# Altium PCB TEBF0808.PcbDoc (part 1 of 11) (continued)
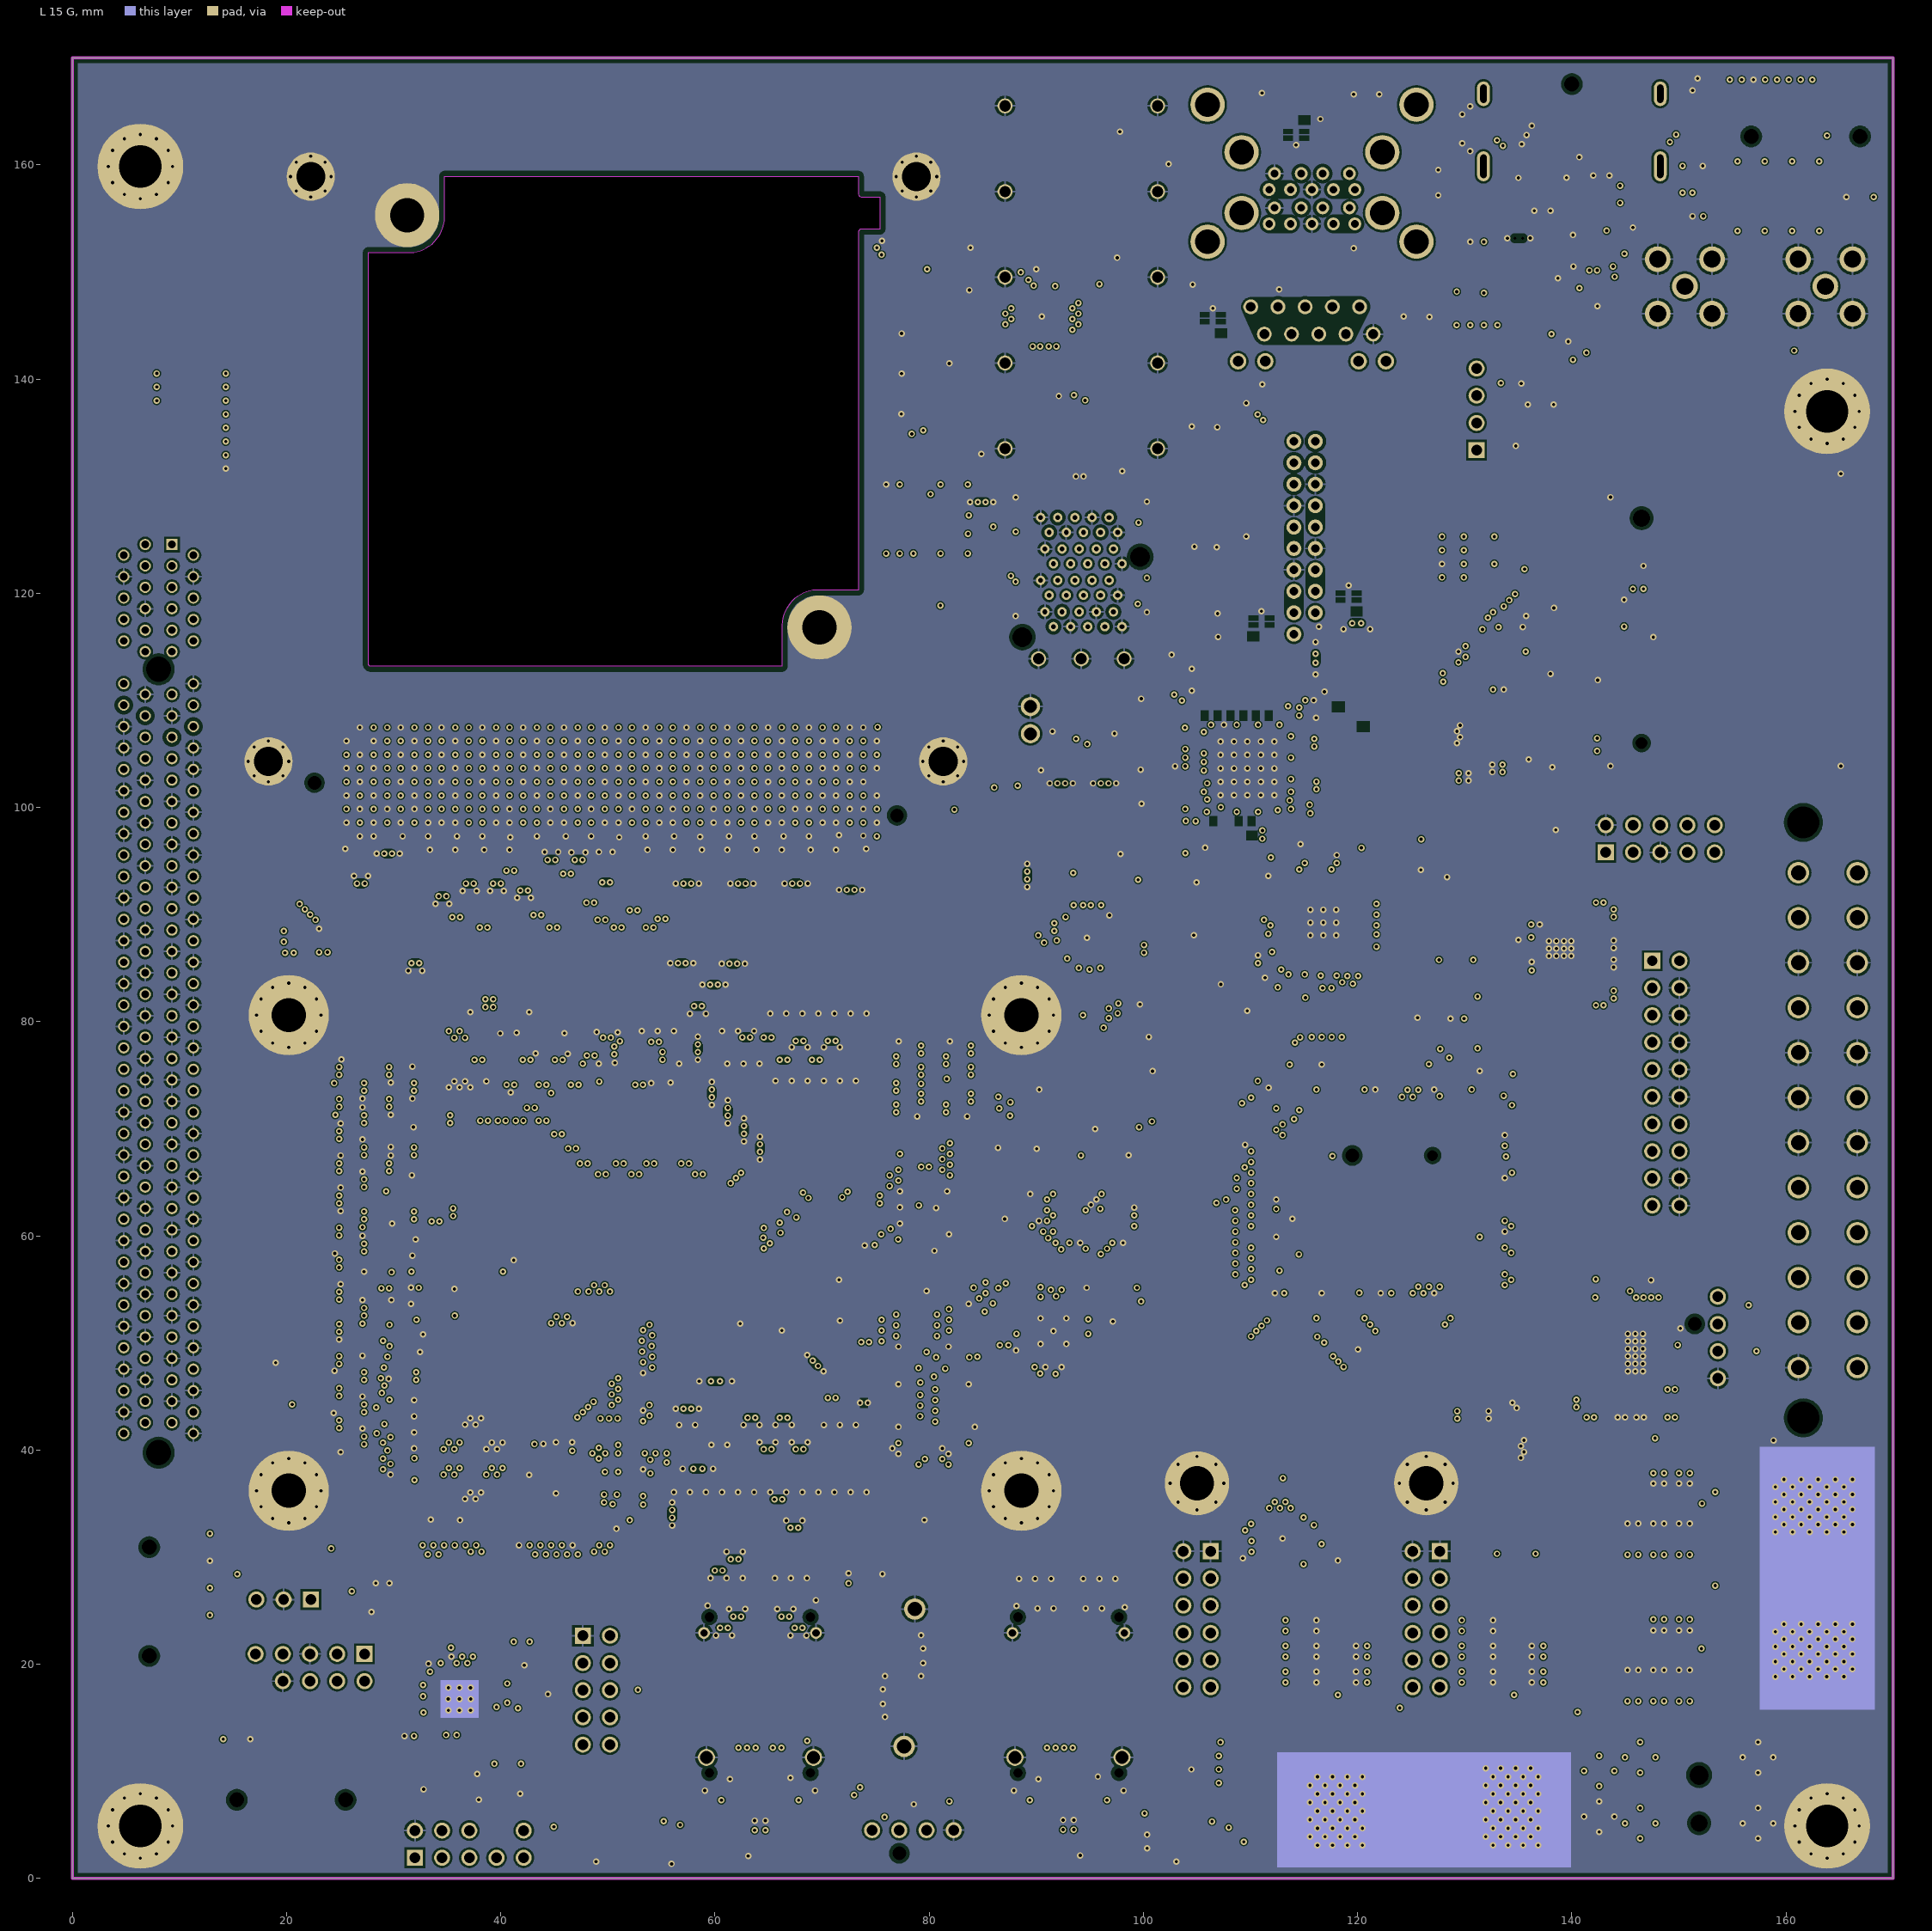
[diagram p15: L 15 G]

## Layer stack, top to bottom
Top Solder: solder mask 0.035, Solder Resist, Dk 3.5
L 01: signal copper 0.018
Dielectric1: core 0.11, 2116, Dk 4.2
L 02 G: signal copper 0.018
Dielectric 3: prepreg 0.1, Dk 4.2
L 03 S: signal copper 0.018
Dielectric 4: core 0.11, 2116, Dk 4.2
L 04 G: signal copper 0.018
Dielectric 5: prepreg 0.1, Dk 4.2
L 05 S: signal copper 0.018
Dielectric 6: core 0.11, 2116, Dk 4.2
L 06 G: signal copper 0.018
Dielectric 12: prepreg 0.1, Dk 4.2
L 07 P: signal copper 0.018
Dielectric 13: core 0.063, 1080, Dk 4.2
L 08 P: signal copper 0.018
Dielectric 14: prepreg 0.1, Dk 4.2
L 09 P: signal copper 0.018
Dielectric 15: core 0.063, 1080, Dk 4.2
L 10 P: signal copper 0.018
Dielectric 7: prepreg 0.1, Dk 4.2
L 11 G: signal copper 0.018
Dielectric 8: core 0.11, 2116, Dk 4.2
L 12 S: signal copper 0.018
Dielectric 9: prepreg 0.1, Dk 4.2
L 13 G: signal copper 0.018
Dielectric 10: core 0.11, 2116, Dk 4.2
L 14 S: signal copper 0.018
Dielectric 11: prepreg 0.1, Dk 4.2
L 15 G: signal copper 0.018
Dielectric 2: core 0.11, 2116, Dk 4.2
L 16: signal copper 0.018
Bottom Solder: solder mask 0.035, Solder Resist, Dk 3.5

## Board outline
0,0 170,0 170,170 0,170
cut-out: 34.76,158.925 73.385,158.925 73.385,157.315 ccw(c73.7,157.315) 73.7,157 75.4,157 75.4,154 73.7,154 ccw(c73.7,153.685) 73.385,153.685 73.385,120.3 69.76,120.3 ccw(c69.635,116.926) 66.26,117.05 66.26,113.175 27.885,113.175 cw(c27.885,113.425) 27.635,113.425 27.635,151.8 31.26,151.8 ccw(c31.385,155.175) 34.76,155.05

## Design rules (kind name [scope] priority, off if disabled: settings)
BoardOutlineClearance [All] p1: gap=0.5
Clearance Clearance_NP [ispad and (Not PadIsPlated) and IsThruPin] p1: gap=0.1 except(0.2: SMDPad-THPad THPad-Fill THPad-Region; 0.3: Arc-THPad Track-THPad THPad-Via THPad-Poly)
Clearance Clearance_HS_PADS_1 [All vs IsThruPin and InNetClass('HS') and (InComponent('J7') or InComponent('J11'))] p2: gap=0.1 except(0.2: Poly-Poly; 0.3: Via-Poly; 0.5: Track-Poly; 0.516: THPad-Poly)
Clearance Clearance_HS_PADS_2 [All vs IsThruPin  and InNetClass('HS') and (InComponent('J8') or InComponent('J18') or InComponent('J14'))] p3: gap=0.1 except(0.2: Poly-Poly; 0.3: Via-Poly; 0.5: Track-Poly THPad-Poly)
Clearance Clearance_HS_VIA [InNetClass('HS')] p4: gap=0.1 except(0.2: THPad-Poly Poly-Poly; 0.3: Via-Poly; 0.6: Arc-Poly Track-Poly)
Clearance Clearance_USB3 [InNetClass('USB3_1') or InNetClass('USB3_2') or InNetClass('USB3_3') or InNetClass('USB3_4') or InNetClass('USB3_PHY') or InNetClass('DisplayPortA') or InNetClass('ETH-MDI') or InNetClass('SATA') vs InPolygon] p5: gap=0.1 except(0.3: Track-THPad THPad-Poly; 0.5: Arc-Poly Track-Poly)
Clearance Clearance_Power [OnLayer('L 07 P') or OnLayer('L 08 P') or OnLayer('L 09 P') or OnLayer('L 10 P')] p6: gap=0.1 except(0.15: Via-Poly; 0.25: THPad-Poly; 0.3: Fill-Poly Poly-Poly; 0.5: Track-Poly)
Clearance [All] p7: gap=0.1 except(0.2: Track-Poly SMDPad-Poly THPad-Poly Fill-Poly Poly-Poly Poly-Region)
ComponentClearance [All] p1 off: gap=0.254 collisioncheckmode=3 verticalgap=0.254 showdistances=FALSE
DiffPairsRouting DiffPairsRouting_90 [InNetClass('D90')] p1: maxlimit=0.1 minlimit=0.1 mostfreqgap=0.1 toplayer_minwidth=0.1 toplayer_maxwidth=0.1 toplayer_prefwidth=0.1 midlayer1_minwidth=0.1 midlayer1_maxwidth=0.1 midlayer1_prefwidth=0.1 midlayer2_minwidth=0.1 midlayer2_maxwidth=0.1 midlayer2_prefwidth=0.1 midlayer3_minwidth=0.1 midlayer3_maxwidth=0.1 midlayer3_prefwidth=0.1 midlayer4_minwidth=0.1 midlayer4_maxwidth=0.1 midlayer4_prefwidth=0.1 midlayer5_minwidth=0.1 midlayer5_maxwidth=0.1 midlayer5_prefwidth=0.1 midlayer6_minwidth=0.1 midlayer6_maxwidth=0.1 midlayer6_prefwidth=0.1 midlayer7_minwidth=0.1 midlayer7_maxwidth=0.1 midlayer7_prefwidth=0.1 midlayer8_minwidth=0.1 midlayer8_maxwidth=0.1 midlayer8_prefwidth=0.1 midlayer9_minwidth=0.1 midlayer9_maxwidth=0.1 midlayer9_prefwidth=0.1 midlayer10_minwidth=0.1 midlayer10_maxwidth=0.1 midlayer10_prefwidth=0.1 midlayer11_minwidth=0.1 midlayer11_maxwidth=0.1 midlayer11_prefwidth=0.1 midlayer12_minwidth=0.1 midlayer12_maxwidth=0.1 midlayer12_prefwidth=0.1 midlayer13_minwidth=0.1 midlayer13_maxwidth=0.1 midlayer13_prefwidth=0.1 midlayer14_minwidth=0.1 midlayer14_maxwidth=0.1 midlayer14_prefwidth=0.1 bottomlayer_minwidth=0.1 bottomlayer_maxwidth=0.1 bottomlayer_prefwidth=0.1 maxuncoupledlength=12.7
DiffPairsRouting DiffPairsRouting_USB3 [InNetClass('D100_U')] p2: maxlimit=0.14 minlimit=0.14 mostfreqgap=0.14 toplayer_minwidth=0.1 toplayer_maxwidth=0.1 toplayer_prefwidth=0.1 midlayer1_minwidth=0.08 midlayer1_maxwidth=0.08 midlayer1_prefwidth=0.08 midlayer2_minwidth=0.08 midlayer2_maxwidth=0.08 midlayer2_prefwidth=0.08 midlayer3_minwidth=0.08 midlayer3_maxwidth=0.08 midlayer3_prefwidth=0.08 midlayer4_minwidth=0.08 midlayer4_maxwidth=0.08 midlayer4_prefwidth=0.08 midlayer5_minwidth=0.08 midlayer5_maxwidth=0.08 midlayer5_prefwidth=0.08 midlayer6_minwidth=0.08 midlayer6_maxwidth=0.08 midlayer6_prefwidth=0.08 midlayer7_minwidth=0.08 midlayer7_maxwidth=0.08 midlayer7_prefwidth=0.08 midlayer8_minwidth=0.08 midlayer8_maxwidth=0.08 midlayer8_prefwidth=0.08 midlayer9_minwidth=0.08 midlayer9_maxwidth=0.08 midlayer9_prefwidth=0.08 midlayer10_minwidth=0.08 midlayer10_maxwidth=0.08 midlayer10_prefwidth=0.08 midlayer11_minwidth=0.08 midlayer11_maxwidth=0.08 midlayer11_prefwidth=0.08 midlayer12_minwidth=0.08 midlayer12_maxwidth=0.08 midlayer12_prefwidth=0.08 midlayer13_minwidth=0.08 midlayer13_maxwidth=0.08 midlayer13_prefwidth=0.08 midlayer14_minwidth=0.08 midlayer14_maxwidth=0.08 midlayer14_prefwidth=0.08 bottomlayer_minwidth=0.1 bottomlayer_maxwidth=0.1 bottomlayer_prefwidth=0.1 maxuncoupledlength=12.7
DiffPairsRouting [All] p3: maxlimit=0.12 minlimit=0.12 mostfreqgap=0.12 toplayer_minwidth=0.1 toplayer_maxwidth=0.1 toplayer_prefwidth=0.1 midlayer1_minwidth=0.08 midlayer1_maxwidth=0.08 midlayer1_prefwidth=0.08 midlayer2_minwidth=0.08 midlayer2_maxwidth=0.08 midlayer2_prefwidth=0.08 midlayer3_minwidth=0.08 midlayer3_maxwidth=0.08 midlayer3_prefwidth=0.08 midlayer4_minwidth=0.08 midlayer4_maxwidth=0.08 midlayer4_prefwidth=0.08 midlayer5_minwidth=0.08 midlayer5_maxwidth=0.08 midlayer5_prefwidth=0.08 midlayer6_minwidth=0.08 midlayer6_maxwidth=0.08 midlayer6_prefwidth=0.08 midlayer7_minwidth=0.08 midlayer7_maxwidth=0.08 midlayer7_prefwidth=0.08 midlayer8_minwidth=0.08 midlayer8_maxwidth=0.08 midlayer8_prefwidth=0.08 midlayer9_minwidth=0.08 midlayer9_maxwidth=0.08 midlayer9_prefwidth=0.08 midlayer10_minwidth=0.08 midlayer10_maxwidth=0.08 midlayer10_prefwidth=0.08 midlayer11_minwidth=0.08 midlayer11_maxwidth=0.08 midlayer11_prefwidth=0.08 midlayer12_minwidth=0.08 midlayer12_maxwidth=0.08 midlayer12_prefwidth=0.08 midlayer13_minwidth=0.08 midlayer13_maxwidth=0.08 midlayer13_prefwidth=0.08 midlayer14_minwidth=0.08 midlayer14_maxwidth=0.08 midlayer14_prefwidth=0.08 bottomlayer_minwidth=0.1 bottomlayer_maxwidth=0.1 bottomlayer_prefwidth=0.1 maxuncoupledlength=12.7
FabricationTestPointUsage TestPointUsage [All] p1: valid=0 allowmultiple=FALSE
FabricationTestpoint Testpoint [All] p1: side=3 testpointundercomponent=TRUE minsize=1.016 maxsize=2.54 preferedsize=1.524 minholesize=0.508 maxholesize=1.016 preferedholesize=0.813 testpointgrid=0.025 allowsidetop=TRUE allowsidebottom=TRUE usegrid=TRUE gridtolerance=0
Height "microATX, Page 17, \"Component Height Constraint\" for AREA C" [OnLayer('TopLayer') And TouchesRoom('AREA C')] p1 off: minheight=0 maxheight=38.1 prefheight=38.1
Height "microATX, Page 17, \"Component Height Constraint\" for AREA B" [OnLayer('TopLayer') And TouchesRoom('AREA B')] p2 off: minheight=0 maxheight=15.24 prefheight=15.24
Height "microATX, Page 17, \"Component Height Constraint\" for AREA A" [OnLayer('TopLayer') And TouchesRoom('AREA A')] p3 off: minheight=0 maxheight=71.12 prefheight=71.12
HoleSize [All] p1: absolutevalues=TRUE maxlimit=4.6 minlimit=0.2 maxpercent=80.000 minpercent=20.000
HoleToHoleClearance [All] p1: gap=0.2 allowstackedmicrovias=FALSE
MatchedLengths MatchLengths_xSignals_U4_J7 [InxSignalClass('xSignals_U4_J7_MatchLengthsClass')] p1: tolerance=0.1 checknetsindiffpair=TRUE checkdiffpairvsdiffpair=FALSE checkxsignals=FALSE checkothers=FALSE
PlaneClearance [All] p1: clearance=0.5
PolygonConnect PolygonConnect_Therm [HoleSize > 2.6] p1: connectstyle=Direct reliefconductorwidth=0.254 reliefentries=4 polygonreliefangle="90 Angle" airgapwidth=0.254
PolygonConnect PolygonConnect_via [InPadClass('pad') or IsVia] p2: connectstyle=Direct reliefconductorwidth=0.254 reliefentries=4 polygonreliefangle="90 Angle" airgapwidth=0.254
PolygonConnect [All] p3: connectstyle=Relief reliefconductorwidth=0.2 reliefentries=4 polygonreliefangle="90 Angle" airgapwidth=0.25
RoutingVias [All] p1: holewidth=0.3 width=0.6 viastyle="Through Hole" minholewidth=0.3 minwidth=0.6 maxholewidth=0.3 maxwidth=0.6
SilkToSilkClearance [All] p1: silktosilkclearance=0.01
SilkToSolderMaskClearance SilkscreenOverComponentPads [IsPad] p1: minsilkscreentomaskgap=0.05 clearancetoexposedcopper=TRUE
SolderMaskExpansion SolderMaskExpansion_via [isVia] p1: expansion=-0.15
SolderMaskExpansion [All] p2: expansion=0
Width [All] p1: maxlimit=1 minlimit=0.1 preferedwidth=0.1 minimp=50.000000 maximp=50.000000 favimp=50.000000
20 further rules are at their usual default settings.

## Classes and differential pairs
net class D100_U: USB3_RXUP_N USB3_RXUP_P USB3_RXUPC_N USB3_RXUPC_P USB3_TXUP_N USB3_TXUP_P USB3_TXUPC_N USB3_TXUPC_P
net class SATA: SATA_RX_N SATA_RX_P SATA_TX_N SATA_TX_P
component class CLK_MUX: C127 C177 C179 C181 C182 C185 C196 C220 C221 C222 C223 L16 L17 L20 R134 R146 R172 R180 R181 R182 R191 R192 R193 R194 U6 U23 U45 U47
component class PMODE: P1 P2 P3 R140 R144 R166 R167 U33
component class SATA: C197 C200 C202 C203 J31
net class PWR: 5V 12V
component class FMC: J5
component class Power_1: C125 C126 C128 C130 C132 C146 C153 C154 C156 C157 C166 C167 C168 C171 C172 C173 R45 R48 R53 R54 R153 R154 R155 R157 TP4 TP5 U22 U26
net class eMMC: MMC-CCLK MMC-CMD MMC-D0 MMC-D1 MMC-D2 MMC-D3 MMC-D4 MMC-D5 MMC-D6 MMC-D7
component class eMMC: C107 C108 C115 C116 C119 C120 R89 R90 R91 R92 R93 R94 R95 R96 R99 R103 R184 U2
component class FireFly: C103 C104 C105 C106 C109 C110 C111 C112 C113 C114 C117 C118 J6 J15 J21 J22 L2 L6 L13 L14 R17 R33 R46 R50 R148 R149 SNAP2 SNAP3 U34
net class USB3_PHY: USB0_D_N USB0_D_P USB3_RXUP_N USB3_RXUP_P USB3_RXUPC_N USB3_RXUPC_P USB3_TXUP_N USB3_TXUP_P USB3_TXUPC_N USB3_TXUPC_P
net class HB: B48_L1_N B48_L1_P B48_L2_N B48_L2_P B48_L3_N B48_L3_P B48_L4_N B48_L4_P B48_L5_N B48_L5_P B48_L8_N B48_L8_P B48_L9_N B48_L9_P B48_L10_N B48_L10_P B48_L11_N B48_L11_P B48_L12_N B48_L12_P B64_L13_N B64_L13_P B64_L20_N B64_L20_P B64_L21_N B64_L21_P B64_L22_N B64_L22_P B64_L23_N B64_L23_P B64_L24_N B64_L24_P B65_L11_N B65_L11_P B65_L20_N B65_L20_P B65_L21_N B65_L21_P B65_L22_N B65_L22_P B65_L23_N B65_L23_P B65_L24_N B65_L24_P
net class LA: B64_L1_N B64_L1_P B64_L2_N B64_L2_P B64_L3_N B64_L3_P B64_L4_N B64_L4_P B64_L5_N B64_L5_P B64_L6_N B64_L6_P B64_L7_N B64_L7_P B64_L8_N B64_L8_P B64_L9_N B64_L9_P B64_L10_N B64_L10_P B64_L11_N B64_L11_P B64_L12_N B64_L12_P B64_L15_N B64_L15_P B64_L16_N B64_L16_P B64_L17_N B64_L17_P B64_L18_N B64_L18_P B64_L19_N B64_L19_P B65_L1_N B65_L1_P B65_L2_N B65_L2_P B65_L3_N B65_L3_P B65_L4_N B65_L4_P B65_L5_N B65_L5_P B65_L6_N B65_L6_P B65_L7_N B65_L7_P B65_L8_N B65_L8_P B65_L9_N B65_L9_P B65_L10_N B65_L10_P B65_L12_N B65_L12_P B65_L13_N B65_L13_P B65_L15_N B65_L15_P B65_L16_N B65_L16_P B65_L17_N B65_L17_P B65_L18_N B65_L18_P B65_L19_N B65_L19_P
net class DisplayPortA: DP_TX_L0_N DP_TX_L0_P
component class DP_PS: C97 C129 C134 C137 C139 C140 C147 C148 C193 D2 D3 J13 R38 R39 R40 R41 R42 R43 R44 R47 R49 R66 R67 R84 R97 R158 R159 TP18 TP19 U20 U31 U40
component class "FMC PWR": C101 J19 M1 Q3 R204 R205 U1
net class HA: B66_L1_N B66_L1_P B66_L2_N B66_L2_P B66_L3_N B66_L3_P B66_L4_N B66_L4_P B66_L5_N B66_L5_P B66_L6_N B66_L6_P B66_L7_N B66_L7_P B66_L8_N B66_L8_P B66_L9_N B66_L9_P B66_L10_N B66_L10_P B66_L11_N B66_L11_P B66_L12_N B66_L12_P B66_L13_N B66_L13_P B66_L14_N B66_L14_P B66_L15_N B66_L15_P B66_L16_N B66_L16_P B66_L17_N B66_L17_P B66_L18_N B66_L18_P B66_L19_N B66_L19_P B66_L20_N B66_L20_P B66_L21_N B66_L21_P B66_L22_N B66_L22_P B66_L23_N B66_L23_P B66_L24_N B66_L24_P
net class D100: B48_L1_N B48_L1_P B48_L2_N B48_L2_P B48_L3_N B48_L3_P B48_L4_N B48_L4_P B48_L5_N B48_L5_P B48_L8_N B48_L8_P B48_L9_N B48_L9_P B48_L10_N B48_L10_P B48_L11_N B48_L11_P B48_L12_N B48_L12_P B64_L1_N B64_L1_P B64_L2_N B64_L2_P B64_L3_N B64_L3_P B64_L4_N B64_L4_P B64_L5_N B64_L5_P B64_L6_N B64_L6_P B64_L7_N B64_L7_P B64_L8_N B64_L8_P B64_L9_N B64_L9_P B64_L10_N B64_L10_P B64_L11_N B64_L11_P B64_L12_N B64_L12_P B64_L13_N B64_L13_P B64_L15_N B64_L15_P B64_L16_N B64_L16_P B64_L17_N B64_L17_P B64_L18_N B64_L18_P B64_L19_N B64_L19_P B64_L20_N B64_L20_P B64_L21_N B64_L21_P B64_L22_N B64_L22_P B64_L23_N B64_L23_P B64_L24_N B64_L24_P B65_L1_N B65_L1_P B65_L2_N B65_L2_P B65_L3_N B65_L3_P B65_L4_N B65_L4_P B65_L5_N B65_L5_P B65_L6_N B65_L6_P B65_L7_N B65_L7_P B65_L8_N B65_L8_P B65_L9_N B65_L9_P B65_L10_N B65_L10_P B65_L11_N B65_L11_P B65_L12_N B65_L12_P B65_L13_N B65_L13_P B65_L15_N B65_L15_P B65_L16_N B65_L16_P B65_L17_N B65_L17_P B65_L18_N B65_L18_P B65_L19_N B65_L19_P B65_L20_N B65_L20_P B65_L21_N B65_L21_P B65_L22_N B65_L22_P B65_L23_N B65_L23_P B65_L24_N B65_L24_P B66_L1_N B66_L1_P B66_L2_N B66_L2_P B66_L3_N B66_L3_P B66_L4_N B66_L4_P B66_L5_N B66_L5_P B66_L6_N B66_L6_P B66_L7_N B66_L7_P B66_L8_N B66_L8_P B66_L9_N B66_L9_P B66_L10_N B66_L10_P B66_L11_N B66_L11_P B66_L12_N B66_L12_P B66_L13_N B66_L13_P B66_L14_N B66_L14_P B66_L15_N B66_L15_P B66_L16_N B66_L16_P B66_L17_N B66_L17_P B66_L18_N B66_L18_P B66_L19_N B66_L19_P B66_L20_N B66_L20_P B66_L21_N B66_L21_P B66_L22_N B66_L22_P B66_L23_N B66_L23_P B66_L24_N B66_L24_P B228_RX0_N B228_RX0_P B228_RX1_N B228_RX1_P B228_RX2_N B228_RX2_P B228_RX3_N B228_RX3_P B228_TX0_N B228_TX0_P B228_TX1_N B228_TX1_P B228_TX2_N B228_TX2_P B228_TX3_N B228_TX3_P B229_RX0_N B229_RX0_P B229_RX1_N B229_RX1_P B229_RX2_N B229_RX2_P B229_RX3_N B229_RX3_P B229_TX0_N B229_TX0_P B229_TX1_N B229_TX1_P B229_TX2_N B229_TX2_P B229_TX3_N B229_TX3_P B230_RX0_N B230_RX0_P B230_RX1_N B230_RX1_P B230_TX0_N B230_TX0_P B230_TX1_N B230_TX1_P
net class USB3_4: U3D4_N U3D4_P USB2_DN4_D_N USB2_DN4_D_P USB3_RXDN4_D_N USB3_RXDN4_D_P USB3_TXDN4_D_N USB3_TXDN4_D_P
net class USB3_3: U3D3_N U3D3_P USB2_DN3_D_N USB2_DN3_D_P USB3_RXDN3_D_N USB3_RXDN3_D_P USB3_TXDN3_D_N USB3_TXDN3_D_P
component class SC2: C141 C142 C143 C144 C145 L15 R19 R88 R189 U25 U38 U39
component class Power_2: C65 C66 C68 C71 C72 C73 C74 C77 C98 C99 C100 D15 R55 R56 R81 R82 R150 R152 R162 R183 R185 R186 TP3 TP6 U8 U18
component class SC: C161 C162 C163 C164 U17 U32
component class I2C_system: C215 C217 J34 R63 R132 R135 R136 R141 R142 R? U16 U27
component class SD: C42 C43 C46 C67 C165 C218 C219 J16 J27 Q1 Q2 R137 R138 R139 R147 R177 R178 U15
component class USB: C2 C86 C87 C88 C89 C91 C95 C204 C205 C206 C208 C210 C212 C224 C226 C228 C230 C231 C232 C234 C236 C239 C240 L3 L22 R8 TP12
component class ETH-PHY: C14 C26 C27 C28 C29 C30 C31 C32 C33 C34 C35 C36 C37 C38 C44 C45 C136 C169 C170 L5 L7 R13 R14 R15 R16 R36 R37 U12 U13
component class USB-PHY: C21 C22 C23 C158 L4 R7 R9 R65 R68 TP33 U9 U10
component class USB-CONN: C3 C4 C5 C6 C7 C8 C9 C10 C39 C40 C82 C83 C84 C85 C149 C257 C258 C259 C260 C261 J7 J8 R3 R64 R69 R70 R106 R110 R111 R143 R145 TP1 U11 U14 U21 U49 U50 U51
component class PCIe: C69 C70 C93 C94 J11 R119 R120
component class J3: C1 J3 L1 TP15 TP28 TP29 TP30 TP31 TP32 TP36
component class J2: B1 C159 C160 D16 J2 TP2 U37
component class J1: J1 R160
component class TEBF0808: C41 D11 D18 J10 J20 J23 J25 J26 J35 L19 L21 LOGO1 PM1 PM2 PM3 PM4 PM5 PM6 R27 R28 R29 R60 R61 R98 R109 R169 R196 R197 R198 R199 S1 S2 S/N Serial SNAP1 T1 TP11 U48
component class SFP: C47 C48 C49 C50 C51 C52 C57 C58 C59 C60 C61 C62 D1 D8 D9 D10 J14 L8 L9 L11 L12 R18 R21 R86 R87 R101 R102 R104 R105 R107 R108 R113 R114 R115 R117 R118 R121 R122 R123 R124 R127 R165 R179 U44
net class ETH-MDI: PHY_MDI0_N PHY_MDI0_P PHY_MDI1_N PHY_MDI1_P PHY_MDI2_N PHY_MDI2_P PHY_MDI3_N PHY_MDI3_P
net class eSD: ESD_CLK ESD_CMD ESD_DAT0 ESD_DAT1 ESD_DAT2 ESD_DAT3
component class XMOD: J12 J28 J30
component class CLK: C25 C75 C76 C135 C175 C176 C178 C183 C194 C195 J32 J33 L10 L18 R59 R112 R130 R131 R151 R168 U7 U35
net class ETH: ETH_RXCK ETH_RXCTL ETH_RXD0 ETH_RXD1 ETH_RXD2 ETH_RXD3 ETH_TXCK ETH_TXCTL ETH_TXD0 ETH_TXD1 ETH_TXD2 ETH_TXD3
net class SD: SD_CLK SD_CMD SD_DAT0 SD_DAT1 SD_DAT2 SD_DAT3
net class USB0: USB0_CLK USB0_DATA0 USB0_DATA1 USB0_DATA2 USB0_DATA3 USB0_DATA4 USB0_DATA5 USB0_DATA6 USB0_DATA7 USB0_DIR USB0_NXT USB0_STP
component class FMC_MISC: C121 C122 C123 C124 R2 R62 R116 R125 R126 R129
net class FMC_DP: B228_RX0_N B228_RX0_P B228_RX1_N B228_RX1_P B228_RX2_N B228_RX2_P B228_RX3_N B228_RX3_P B228_TX0_N B228_TX0_P B228_TX1_N B228_TX1_P B228_TX2_N B228_TX2_P B228_TX3_N B228_TX3_P B229_RX0_N B229_RX0_P B229_RX1_N B229_RX1_P B229_RX2_N B229_RX2_P B229_RX3_N B229_RX3_P B229_TX0_N B229_TX0_P B229_TX1_N B229_TX1_P B229_TX2_N B229_TX2_P B229_TX3_N B229_TX3_P B230_RX0_N B230_RX0_P B230_RX1_N B230_RX1_P B230_TX0_N B230_TX0_P B230_TX1_N B230_TX1_P
component class Audio: C11 C12 C13 C15 C16 C17 C18 C19 C20 C24 C53 C54 C55 C56 C63 C64 C207 C214 C216 J9 R4 R5 R6 R10 R11 R12 R20 R22 R23 R24 R25 R26 R30 R31 R34 R35 R128 R170 R171 R187 R188 TP13 U3 U46
component class J4: J4 R32 R161 R190
component class USB3-HUB: C150 C151 C152 C155 C255 C256 C? D17 R1 R71 R76 R77 R78 R79 R80 R83 R85 R195 R200 R201 R202 R203 U4 U5 Y1
net class USB3_1: U3D1_N U3D1_P USB2_DN1_D_N USB2_DN1_D_P USB3_RXDN1_D_N USB3_RXDN1_D_P USB3_TXDN1_D_N USB3_TXDN1_D_P
net class USB3_2: U3D2_N U3D2_P USB2_DN2_D_N USB2_DN2_D_P USB3_RXDN2_D_N USB3_RXDN2_D_P USB3_TXDN2_D_N USB3_TXDN2_D_P
component class Power_3: C78 C79 C80 C81 C96 C131 C174 C184 C186 C187 C188 C189 C190 C191 R51 R52 R57 R58 R156 R163 R164 TP7 TP8 TP9 U19 U28 U29
net class SFP1_CTRL: SFP1_LOS SFP1_M-DEF0 SFP1_RS0 SFP1_RS1 SFP1_SCL SFP1_SDA SFP1_TX_DIS SFP1_TX_FAULT
net class SFP2_CTRL: SFP2_LOS SFP2_M-DEF0 SFP2_RS0 SFP2_RS1 SFP2_SCL SFP2_SDA SFP2_TX_DIS SFP2_TX_FAULT
component class MISC: C138 C180 C192 D4 D5 D6 D7 D14 J17 J24 J29 R72 R73 R74 R75 R100 R133 R173 R174 S4 S5 U24 U30 U36 U41 U42
component class Power_4: C198 C199 D12 D13 D? TP10 U43
net class PCI: CLK0_N CLK0_P PCI_REF_N PCI_REF_P PCI_RX_N PCI_RX_P PCI_TX_N PCI_TX_P PET0_N PET0_P
net class FF: B128_RX0_N B128_RX0_P B128_RX1_N B128_RX1_P B128_RX2_N B128_RX2_P B128_RX3_N B128_RX3_P B128_TX0_N B128_TX0_P B128_TX1_N B128_TX1_P B128_TX2_N B128_TX2_P B128_TX3_N B128_TX3_P
net class HS: A2_N A2_P B2_N B2_P B128_RX0_N B128_RX0_P B128_RX1_N B128_RX1_P B128_RX2_N B128_RX2_P B128_RX3_N B128_RX3_P B128_TX0_N B128_TX0_P B128_TX1_N B128_TX1_P B128_TX2_N B128_TX2_P B128_TX3_N B128_TX3_P B230_RX2_N B230_RX2_P B230_RX3_N B230_RX3_P B230_TX2_N B230_TX2_P B230_TX3_N B230_TX3_P DP0_TX_N DP0_TX_P DP_TX_L0_N DP_TX_L0_P PCI_RX_N PCI_RX_P PCI_TX_N PCI_TX_P PET0_N PET0_P SATA_RX_N SATA_RX_P SATA_TX_N SATA_TX_P U3D1_N U3D1_P U3D2_N U3D2_P U3D3_N U3D3_P U3D4_N U3D4_P USB3_RXDN1_D_N USB3_RXDN1_D_P USB3_RXDN2_D_N USB3_RXDN2_D_P USB3_RXDN3_D_N USB3_RXDN3_D_P USB3_RXDN4_D_N USB3_RXDN4_D_P USB3_RXUP_N USB3_RXUP_P USB3_RXUPC_N USB3_RXUPC_P USB3_TXDN1_D_N USB3_TXDN1_D_P USB3_TXDN2_D_N USB3_TXDN2_D_P USB3_TXDN3_D_N USB3_TXDN3_D_P USB3_TXDN4_D_N USB3_TXDN4_D_P USB3_TXUP_N USB3_TXUP_P USB3_TXUPC_N USB3_TXUPC_P
net class D90: U3D1_N U3D1_P U3D2_N U3D2_P U3D3_N U3D3_P U3D4_N U3D4_P USB0_D_N USB0_D_P USB2_DN1_D_N USB2_DN1_D_P USB2_DN2_D_N USB2_DN2_D_P USB2_DN3_D_N USB2_DN3_D_P USB2_DN4_D_N USB2_DN4_D_P USB3_RXDN1_D_N USB3_RXDN1_D_P USB3_RXDN2_D_N USB3_RXDN2_D_P USB3_RXDN3_D_N USB3_RXDN3_D_P USB3_RXDN4_D_N USB3_RXDN4_D_P USB3_TXDN1_D_N USB3_TXDN1_D_P USB3_TXDN2_D_N USB3_TXDN2_D_P USB3_TXDN3_D_N USB3_TXDN3_D_P USB3_TXDN4_D_N USB3_TXDN4_D_P
differential pair B47_L5: +B47_L5_P -B47_L5_N
differential pair OSC1: +OSC1_P -OSC1_N
differential pair OSC0: +OSC0_P -OSC0_N
differential pair CLK8C: +CLK8C_P -CLK8C_N
differential pair B505_CLK1: +B505_CLK1_P -B505_CLK1_N
differential pair SATA_TX: +SATA_TX_P -SATA_TX_N
differential pair SATA_RX: +SATA_RX_P -SATA_RX_N
differential pair B2: +B2_P -B2_N
differential pair A2: +A2_P -A2_N
differential pair FMCCLK3: +FMCCLK3_P -FMCCLK3_N
differential pair FMCCLK2: +FMCCLK2_P -FMCCLK2_N
differential pair B505_CLK0: +B505_CLK0_P -B505_CLK0_N
differential pair B230_CLK1: +B230_CLK1_P -B230_CLK1_N
differential pair CLK8: +CLK8_P -CLK8_N
differential pair CLK7: +CLK7_P -CLK7_N
differential pair B64_L14: +B64_L14_P -B64_L14_N
differential pair B48_L6: +B48_L6_P -B48_L6_N
differential pair GBTCLK1: +GBTCLK1_P -GBTCLK1_N
differential pair GBTCLK0: +GBTCLK0_P -GBTCLK0_N
differential pair B128_TX3: +B128_TX3_P -B128_TX3_N